# KiCad board dsv4.kicad_pcb (continued)
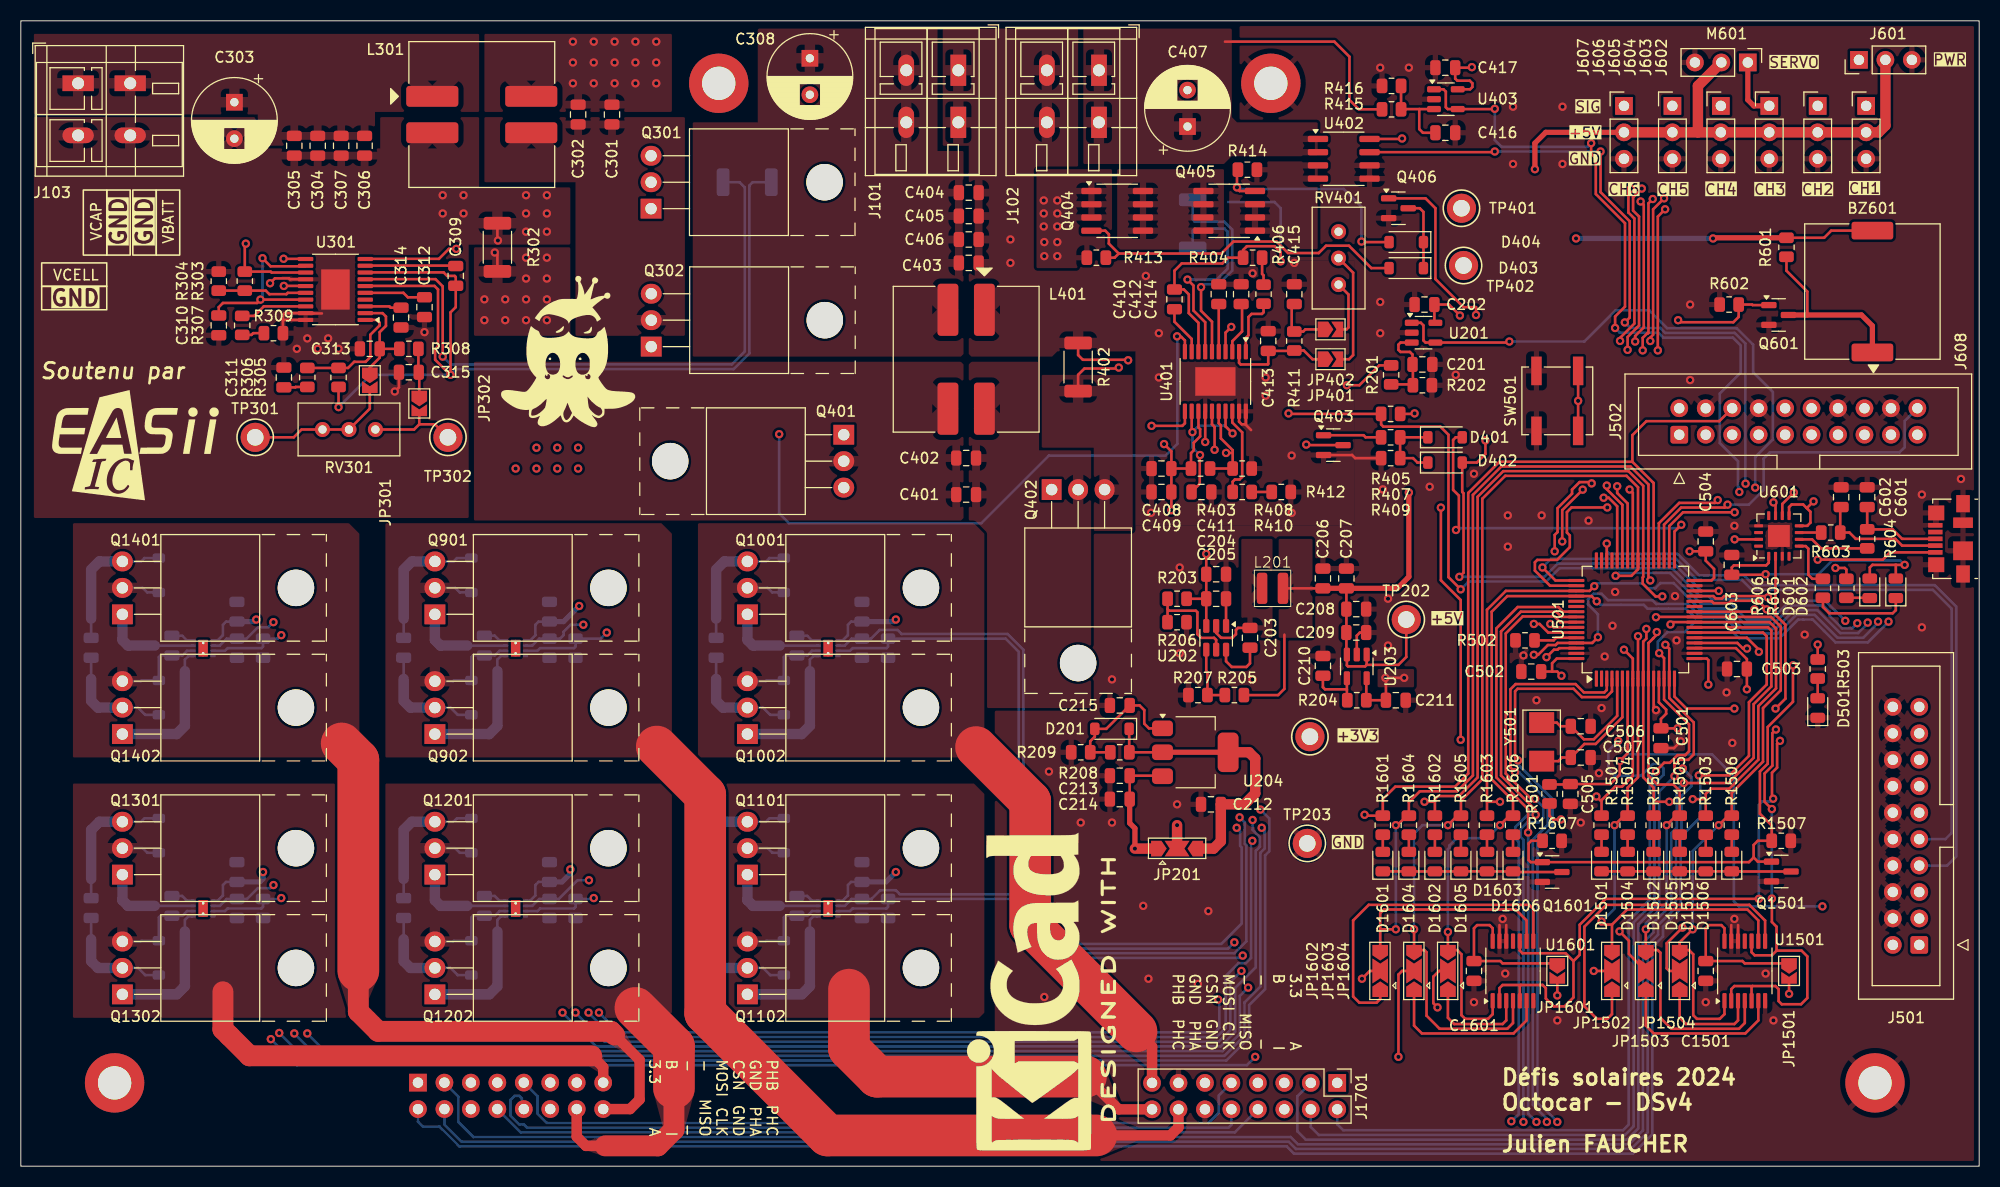
[diagram p0: board, top side]
## Routing (per net, layer and track width the routed paths; a pad name or vN(x,y) marks a point on that pad's centre or on a via; arc(x,y) is an arc through that point) (continued)
  Bottom w0.25: v1(167.5,56.85) 172.57,56.85 173.9,58.17 180.43,58.17 v1(180.85,57.75)
/SPI.CLK: length 164.8
  Top w0.25: U501.55 148.05,53.25 147.6,53.7 143.7,53.7 141.65,51.65 141.65,37.34 144.7,34.29 v1(144.7,32.05)
  In2.Cu w0.25: J1701.10 116.22,3.94 117.25,2.9 144.15,2.9 v1(145.5,4.25)
  Bottom w0.25: v1(145.5,4.25) 144.7,5.05 v1(144.7,32.05) ; J1701.10 116.22,3.97 115.95,3.7 48.6,3.7 48.28,4.01 47.85,4.01 47,4.87 47,6.35 47.4,6.75 47.85,6.75 48.1,6.5 48.1,5.67 J1801.10
/SPI.MISO: length 164.8
  Top w0.25: U501.56 147.91,52.75 147.41,53.25 144,53.25 142.1,51.35 142.1,37.52 145.43,34.2 v1(145.43,33.75)
  In2.Cu w0.25: J1701.8 120.41,3.8 128.51,3.8 arc(128.68,3.87) 128.75,4.04 128.75,4.56 arc(128.82,4.73) 128.99,4.8 129.11,4.8 arc(129.28,4.73) 129.35,4.56 129.35,4.04 arc(129.42,3.87) 129.59,3.8 129.71,3.8 arc(129.88,3.87) 129.95,4.04 129.95,4.56 arc(130.02,4.73) 130.19,4.8 130.31,4.8 arc(130.48,4.73) 130.55,4.56 130.55,4.04 arc(130.62,3.87) 130.79,3.8 130.91,3.8 arc(131.08,3.87) 131.15,4.04 131.15,4.56 arc(131.22,4.73) 131.39,4.8 131.51,4.8 arc(131.68,4.73) 131.75,4.56 131.75,4.04 arc(131.82,3.87) 131.99,3.8 132.11,3.8 arc(132.28,3.87) 132.35,4.04 132.35,4.56 arc(132.42,4.73) 132.59,4.8 132.71,4.8 arc(132.88,4.73) 132.95,4.56 132.95,4.04 arc(133.02,3.87) 133.19,3.8 142.57,3.8 v1(143.09,4.31)
  Bottom w0.25: v1(145.43,33.75) 144.65,33.75 143.47,32.58 143.47,31.47 143.8,31.15 143.8,5 143.11,4.31 v1(143.09,4.31) ; J1801.8 47.98,3.25 116.54,3.25 J1701.8
/SPI.MOSI: length 163
  Top w0.25: v1(145.37,35.28) 144.98,35.28 142.55,37.71 142.55,51.16 144.19,52.8 147.23,52.8 147.78,52.25 U501.57
  In2.Cu w0.25: J1701.9 117.39,6.82 117.39,3.96 118,3.35 143.15,3.35 144.05,4.25 v1(144.25,4.25)
  Bottom w0.25: J1701.9 115,6.78 115,5.12 114.03,4.15 50.5,4.15 49.6,5.05 49.6,6.71 J1801.9 ; v1(145.37,35.28) 146.15,34.5 146.15,33.45 145.7,33 144.62,33 143.97,32.35 143.97,31.62 144.25,31.35 v1(144.25,4.25)
IN: length 72.9
  Top w0.25: v1(120.95,86.9) 120.95,87.76 120.36,88.35 117.7,88.35 117.34,87.99 R404.1 115.9,87.25 115.35,86.7 111.45,86.7 110.75,86 C410.1 111.65,84.2 112.12,83.72 112.12,81.92 113.05,81 U401.8 ; v1(113.3,84.42) 113.3,82.15 114.35,81.1 U401.6 ; R415.1 128.45,101.5 127.55,102.4 127.55,106.55 126.1,108 115.6,108
  Bottom w0.25: R401.2 112.5,90.9 112.7,90.7 115.54,90.7 116.3,89.94 116.3,86.01 114.99,84.7 113.57,84.7 v1(113.3,84.42) ; 115.9,92.6 120.35,92.6 120.95,92 v1(120.95,86.9)
V_{DRIVE}: length 409.9
  Top w0.25: R601.1 173.11,89.16 173.8,89.85 BZ601.1
  Top w0.5: v1(162.45,89.1) 162.51,89.16 R601.1
  Top w1: JP201.2 v1(111,32.75)
  In2.Cu w0.5: v1(149.3,89.1) 148.1,89.1 146.05,87.05 146.05,85.26 144.04,83.25 137.64,83.25 134.8,80.41 134.8,77.86 132.65,75.71 132.65,70.39 134.1,68.94 134.1,64.35 131.4,61.65 120,61.65 119.5,61.15 119.5,41.25 v1(111,32.75)
  In2.Cu w1: v1(22.6,52.5) 20.65,50.55 20.65,27 ; 20.65,27 20.65,28.25 v1(23.25,28.25) ; 20.65,27 20.65,13.45 24.2,9.9 79.25,9.9 ; v1(111,32.75) 111,13.3 107.6,9.9 79.25,9.9 ; v1(84,28.25) 79.25,28.25 ; 79.25,28.25 79.25,50.15 81.6,52.5 v1(84,52.5) ; 79.25,28.25 79.25,9.9 ; v1(53.6,53.8) 50.75,50.95 50.75,28.5 ; 50.75,28.5 v1(52.75,28.5) ; 50.75,28.5 50.75,9.95
  Bottom w0.25: U1001.1 78.9,50.5 79.4,51 79.4,52 79.7,52.3 C1003.1 ; U1401.1 18.9,50.5 19.4,51 19.4,52 19.7,52.3 C1403.1 ; U901.1 48.9,50.5 49.4,51 49.4,52 49.7,52.3 C903.1 ; U1201.1 48.9,25.5 49.4,26 49.4,27 49.7,27.3 C1203.1 ; C1103.1 79.7,27.3 79.4,27 79.4,26 78.9,25.5 U1101.1 ; U1301.1 18.9,25.5 19.4,26 19.4,27 19.7,27.3 C1303.1
  Bottom w0.5: C1103.1 83.05,27.3 v1(84,28.25) ; C1203.1 51.95,27.3 52.75,28.1 v1(52.75,28.5) ; C1403.1 22.4,52.3 v1(22.6,52.5) ; C1303.1 22.95,27.3 23.25,27.6 v1(23.25,28.25) ; v1(149.3,89.1) v1(162.45,89.1) ; v1(53.6,53.8) 52.1,52.3 C903.1 ; v1(84,52.5) 83.8,52.3 C1003.1
VCAP: length 218.2
  Top w0.25: C205.1 U202.3 ; C205.1 C204.1 v1(113.8,58.8) ; C205.1 R203.2 ; 33.08,85.84 40.59,85.84 40.93,85.5 41.65,85.5 41.75,85.4 C309.1 41.75,82.5 41.25,82 v1(41.25,76) 41.22,76 39.78,77.45 39.78,78.47 40.05,78.75 40.05,84.2 39.71,84.54 33.08,84.54 ; v1(30.5,72.9) R305.1 ; C408.1 110.45,68.65 v1(109.75,69.35) ; C408.1 R403.1 112.34,68.49 112.6,68.75 112.6,69.48 113.21,70.09 113.21,70.79 113.05,70.95 U401.13 ; C408.1 C409.1 v1(110.45,63) ; R201.1 130.41,76.91 128.5,75 v1(127.3,75) ; U204.3 109.55,37.5 C213.1 C214.1
  Top w0.5: v1(106.95,30.5) 106.95,32.45 106.45,32.95 C214.1
  Top w1: v1(106.95,30.5) JP201.1
  Bottom w0.25: R301.2 70.25,94.5 69.95,94.2 69.95,78.06 68.44,76.55 41.8,76.55 v1(41.25,76) 33.6,76 v1(30.5,72.9) ; C1302.1 6.75,27.59 ; C1202.1 36.75,27.59 ; Q1301.3 11.54,33.08 11.86,33.4 D1301.1 ; Q1201.3 41.54,33.08 41.86,33.4 D1201.1 ; C1402.1 6.75,52.59 ; Q1101.3 71.54,33.08 71.86,33.4 D1101.1 ; D1001.1 71.86,58.4 71.54,58.08 Q1001.3 ; Q901.3 41.54,58.08 41.86,58.4 D901.1 ; D1401.1 11.86,58.4 11.54,58.08 Q1401.3 ; C1002.1 66.75,52.59 ; C1102.1 66.75,27.59 ; C902.1 36.75,52.59
  Bottom w1: 66.75,27.59 66.75,32.29 67.54,33.08 Q1101.3 ; 6.75,27.59 6.75,32.29 7.54,33.08 Q1301.3 ; Q1001.3 67.54,58.08 66.75,57.29 66.75,52.59 ; 36.75,52.59 36.75,57.29 37.54,58.08 Q901.3 ; Q1201.3 37.54,33.08 36.75,32.29 36.75,27.59 ; 6.75,52.59 6.75,57.29 7.54,58.08 Q1401.3
  vias: v1(98.2,92.75) v1(98.2,91.5) v1(98.2,90.25) v1(98.25,88.75) v1(98.25,87.4) v1(99.5,92.75) v1(99.5,91.5) v1(99.5,90.25) v1(99.5,88.75) v1(99.5,87.4)
Net-(BZ601--): length 17.5
  Top w0.25: 171.5,81.75 171.5,84 169.5,86 R601.2
  Top w0.5: Q601.3 176.7,81.75 177.75,80.7 BZ601.2
Net-(D201-A): length 13.5
  Top w0.25: U204.1 108.3,42.05 107.85,42.5 107.85,43.8 107.4,44.25 C215.1 104.2,42 D201.2 103.1,41.25 102.66,40.81 R209.1 R208.2
Net-(D201-K): length 27.7
  Top w0.25: U204.2 R208.1 106.4,39.76 D201.1
  Top w0.5: U204.2 U204.2
  Top w1: U204.2 117.9,39.75 118.5,39.15 118.5,35.8 117.45,34.75 C212.1 115.2,31.2 114.5,30.5 JP201.3
Net-(D401-K): length 7.5
  Top w0.25: D402.1 134.07,67.58 133.65,68 R409.1 R407.1 D401.1
Net-(D403-A): length 33.5
  Top w0.25: 105.4,87.65 104.45,88.6 104.45,89.5 104.1,89.84 Q404.4 ; 105.4,87.65 105,87.25 R413.2 ; 105.4,87.65 115.25,87.65 116.4,88.8 120.55,88.8 121.65,87.7 124.6,87.7 125.3,88.4 127.5,88.4 129.65,86.25 D403.2
Net-(D403-K): length 7
  Top w0.25: Q406.3 134.3,92 134.65,91.65 D404.1 D403.1
Net-(D404-A): length 22.4
  Top w0.25: D404.2 128.75,88.75 v1(128.7,88.8) ; Q405.4 117,93.66 116.75,93.91 v1(116.75,94) 116.75,95.61 R414.2
  Bottom w0.25: v1(116.75,94) 116.9,93.85 127,93.85 128.7,92.15 v1(128.7,88.8)
Net-(D501-A): length 1.9
  Top w0.25: R503.2 D501.2
Net-(D601-K): length 2.3
  Top w0.25: D601.1 177.47,54.59 R605.1
Net-(D602-K): length 9.4
  Top w0.25: R606.1 173,53.7 173.6,53.1 179.7,53.1 180,53.4 D602.1
Net-(D1501-A): length 1.6
  Top w0.25: R1501.2 D1501.2
Net-(D1501-K): length 18.1
  Top w0.25: 169.88,28.3 165.1,28.3 165.09,28.31 D1506.1 164.25,28.31 D1503.1 161.75,28.31 D1505.1 159.25,28.31 D1502.1 D1504.1 154.25,28.31 D1501.1
Net-(D1502-A): length 1.7
  Top w0.25: R1502.2 D1502.2
Net-(D1503-A): length 1.7
  Top w0.25: R1503.2 D1503.2
Net-(D1504-A): length 1.7
  Top w0.25: R1504.2 D1504.2
Net-(D1505-A): length 1.6
  Top w0.25: R1505.2 D1505.2
Net-(D1506-A): length 1.6
  Top w0.25: R1506.2 D1506.2
Net-(D1601-A): length 1.6
  Top w0.25: R1601.2 D1601.2
Net-(D1601-K): length 17.2
  Top w0.25: Q1601.3 143.7,28.25 143.64,28.31 D1606.1 143.25,28.31 D1603.1 140.75,28.31 D1605.1 138.25,28.31 D1602.1 D1604.1 133.25,28.31 D1601.1
Net-(D1602-A): length 1.6
  Top w0.25: R1602.2 D1602.2
Net-(D1603-A): length 1.6
  Top w0.25: R1603.2 D1603.2
Net-(D1604-A): length 1.6
  Top w0.25: R1604.2 D1604.2
Net-(D1605-A): length 1.6
  Top w0.25: R1605.2 D1605.2
Net-(D1606-A): length 1.6
  Top w0.25: R1606.2 D1606.2
Net-(J608-D+): length 9.1
  Top w0.25: J608.3 180.6,60.25 179.69,61.16 R604.2 C601.1
Net-(J608-D-): length 12.1
  Top w0.25: C602.1 174.66,63.21 R603.2 175.55,60.85 176.15,60.25 179.95,60.25 180.6,59.6 J608.2
Net-(J608-VBUS): length 21.7
  Top w0.25: J608.1 179.45,58.95 178.75,58.25 v1(172.5,58.25) ; v1(170.2,64.7) 169.1,63.6 U601.10
  In2.Cu w0.25: v1(172.5,58.25) 171.5,59.25 171.5,62.25 170.2,63.55 v1(170.2,64.7)
Net-(JP301-A): length 10.1
  Top w0.25: U301.2 34.72,81.92 35.05,81.6 35.05,80.7 34.45,80.1 C313.1 ; C313.1 R308.1 ; C313.1 34.45,77.65 33.5,76.7 JP301.1
Net-(JP301-B): length 14.1
  Top w0.25: TP301.1 26.2,70 26.95,70.75 RV301.1 RV301.2 33.5,72.75 JP301.2
Net-(JP302-A): length 4.4
  Top w0.25: R308.2 38.16,76.29 ; JP302.1 38.25,76.2
Net-(JP302-B): length 9
  Top w0.25: TP302.1 39.75,71.25 38.25,71.25 ; 38.25,71.25 JP302.2 ; 38.25,71.25 37.75,70.75 RV301.3
Net-(JP401-A): length 10.8
  Top w0.25: 122.21,78.3 C413.1 119.75,77.05 119.7,77 117.1,77 116.95,77.15 U401.2 ; R411.1 123.16,78.34 124,77.5 JP401.1
Net-(JP401-B): length 27
  Top w0.25: RV401.2 127.9,85.81 127.9,77.9 127.5,77.5 JP401.2
  In2.Cu w0.25: RV401.2 RV401.1 134.25,89.75 134.5,89.5 135.8,89.5 TP401.1
Net-(JP402-A): length 5.5
  Top w0.25: 122,80.16 122,82.8 ; R411.2 123.11,80.16 123.31,80.36 JP402.1
Net-(JP402-B): length 18.3
  Top w0.25: JP402.2 127.26,80.36 127.45,80.55 127.45,83.72 RV401.3
  In2.Cu w0.25: RV401.3 132.32,84.67 134.15,86.5 TP402.1
Net-(JP1501-A): length 14.5
  Top w0.25: U1501.14 163.55,22.85 163.25,23.15 162.05,23.15 161.75,22.85 C1501.1 165.28,19.7 165.5,19.47 JP1501.1
Net-(JP1502-A): length 34
  Top w0.25: JP1502.1 152.75,14.6 152.3,14.15 151.3,14.15 150.1,15.35 150.1,23 152.2,25.1 165.94,25.1 167.45,23.59 U1501.8
Net-(JP1503-A): length 16.8
  Top w0.25: JP1503.1 156,13.5 156.75,12.75 165.55,12.75 166.8,14 U1501.6
Net-(JP1504-A): length 10.4
  Top w0.25: U1501.3 164.85,14 164.5,13.65 159.85,13.65 159.25,14.25 JP1504.1
Net-(JP1601-A): length 14.5
  Top w0.25: JP1601.1 142.25,19.47 142.03,19.7 C1601.1 139.5,22.85 139.8,23.15 141,23.15 141.3,22.85 U1601.14
Net-(JP1602-A): length 32.2
  Top w0.25: JP1602.1 130.5,16.05 130.15,15.7 128.5,15.7 127.9,16.3 127.9,23.6 129.4,25.1 144.8,25.1 145.2,24.7 U1601.8
Net-(JP1603-A): length 16.8
  Top w0.25: JP1603.1 133.75,13.5 134.5,12.75 143.3,12.75 144.55,14 U1601.6
Net-(JP1604-A): length 10.4
  Top w0.25: JP1604.1 137,14.25 137.6,13.65 142.25,13.65 142.6,14 U1601.3
Net-(Q301-G): length 34.2
  Top w0.25: v1(41.8,88.1) 41.1,88.1 40.14,87.14 33.08,87.14
  In2.Cu w0.25: Q301.1 60.5,89.35 55.6,84.45 45.09,84.45 41.8,87.74 v1(41.8,88.1)
Net-(Q302-G): length 42.8
  Top w0.25: v1(25.22,87.15) 25.23,87.14 27.32,87.14
  In2.Cu w0.25: Q302.1 53.69,78.71 53.05,79.35 53.05,82.6 51.65,84 44.9,84 41.75,87.15 v1(25.22,87.15)
Net-(Q401-G): length 67.9
  Top w0.25: U401.10 111.75,79.3 111.4,79.65 111.05,79.65 v1(111,79.7)
  In2.Cu w0.25: Q401.1 72.85,70.25 v1(72.8,70.3)
  Bottom w0.25: v1(111,79.7) 111.03,79.67 111.03,69.38 109.9,68.25 98.7,68.25 92.2,61.75 73.75,61.75 72.8,62.7 v1(72.8,70.3)
Net-(Q402-G): length 17.3
  Top w0.25: U401.11 111.75,71.35 111.5,71.1 v1(108.55,71.1)
  In2.Cu w0.25: v1(108.55,71.1) 105.15,67.7 100.4,67.7 98.96,66.26 Q402.1
Net-(Q403-D): length 20.5
  Top w0.25: Q403.3 123.45,69.25 v1(123.4,69.3) ; 116.34,68.5 R408.1 R403.2 ; 116.34,68.5 v1(115.7,68.5) ; 116.34,68.5 116.34,68.76 115.2,69.9 115.2,71.15 115,71.35 U401.16
  In2.Cu w0.25: v1(123.4,69.3) 116.5,69.3 v1(115.7,68.5)
Net-(Q403-G): length 5.6
  Top w0.25: Q403.1 128.9,70.2 129.1,70 R407.2
Net-(Q901-G): length 9.5
  Bottom w0.25: U901.7 42.85,50
  Bottom w1: 42.85,50 40.29,50 39.75,50.54 Q901.1
Net-(Q902-G): length 13.6
  Bottom w0.25: U901.5 46.1,49 45.75,48.65 45.75,47.54
  Bottom w1: 45.75,47.54 45.75,42.29 44.96,41.5 Q902.1
Net-(Q1001-G): length 9.5
  Bottom w0.25: U1001.7 72.85,50
  Bottom w1: 72.85,50 70.29,50 69.75,50.54 Q1001.1
Net-(Q1002-G): length 13.6
  Bottom w0.25: 75.75,47.54 75.75,48.65 76.1,49 U1001.5
  Bottom w1: 75.75,47.54 75.75,42.29 74.96,41.5 Q1002.1
Net-(Q1101-G): length 9.5
  Bottom w0.25: U1101.7 72.85,25
  Bottom w1: 72.85,25 70.29,25 69.75,25.54 Q1101.1
Net-(Q1102-G): length 13.6
  Bottom w0.25: 75.75,22.54 75.75,23.65 76.1,24 U1101.5
  Bottom w1: 75.75,22.54 75.75,17.29 74.96,16.5 Q1102.1
Net-(Q1201-G): length 9.5
  Bottom w0.25: U1201.7 42.85,25
  Bottom w1: 42.85,25 40.29,25 39.75,25.54 Q1201.1
Net-(Q1202-G): length 13.6
  Bottom w0.25: U1201.5 46.1,24 45.75,23.65 45.75,22.54
  Bottom w1: 45.75,22.54 45.75,17.29 44.96,16.5 Q1202.1
Net-(Q1301-G): length 9.5
  Bottom w0.25: U1301.7 12.85,25
  Bottom w1: 12.85,25 10.29,25 9.75,25.54 Q1301.1
Net-(Q1302-G): length 13.6
  Bottom w0.25: 15.75,22.54 15.75,23.65 16.1,24 U1301.5
  Bottom w1: 15.75,22.54 15.75,17.29 14.96,16.5 Q1302.1
Net-(Q1401-G): length 9.5
  Bottom w0.25: U1401.7 12.85,50
  Bottom w1: 12.85,50 10.29,50 9.75,50.54 Q1401.1
Net-(Q1402-G): length 13.6
  Bottom w0.25: U1401.5 16.1,49 15.75,48.65 15.75,47.54
  Bottom w1: 15.75,47.54 15.75,42.29 14.96,41.5 Q1402.1
Net-(R307-Pad2): length 2.2
  Top w0.25: R307.2 22.14,79.84 22.3,80 R309.1
Net-(R404-Pad2): length 2.6
  Top w0.25: R404.2 119.16,85.69 119.3,85.55 R406.1
Net-(R410-Pad2): length 1.9
  Top w0.25: R410.2 R412.1
Net-(U201-+): length 8.5
  Top w0.25: U201.3 132.45,79.1 132.25,78.9 132.25,78.4 132.45,78.2 133.35,78.2 133.6,77.95 C201.1 133.64,76.96 R202.1 133.55,75.09 R201.2
Net-(U202-BOOT): length 5.3
  Top w0.25: C203.1 118,48.3 117.65,47.94 116.25,47.94 115.7,48.5 U202.6
Net-(U202-EN): length 10.3
  Top w0.25: 110.09,53.5 110.24,53.34 112.8,53.34 112.95,53.19 112.95,51.09 113.3,50.75 114.55,50.75 114.75,50.55 U202.5 ; 110.09,53.5 R203.1 ; 110.09,53.5 110.09,52.25 R206.2
Net-(U202-FB): length 6.1
  Top w0.25: R205.1 R207.2 113.91,47.43 113.8,47.55 U202.4
Net-(U203-BP): length 5.6
  Top w0.25: 127.3,45.75 127.25,45.8 125.2,45.8 125,46 C210.1 ; 127.3,45.75 U203.4 ; 127.3,45.75 127.3,44.79 R204.2
Net-(U301-EN/FBIN): length 8.5
  Top w0.25: U301.16 25.62,83.88 25.5,83.75 23.85,83.75 23.51,84.09 R303.2 R304.1
Net-(U301-FBX): length 11.7
  Top w0.25: R306.1 R305.2 31.41,76.66 32,77.25 33.1,77.25 33.6,77.75 33.55,77.8 33.55,79.85 34.45,80.75 34.45,81 34.17,81.28 U301.1
Net-(U301-IMON): length 5.9
  Top w0.25: C312.1 37.15,83.45 36.72,83.88 U301.5
Net-(U301-INTV_{CC}): length 17.9
  Top w0.25: 27.34,83.22 v1(23,83.22) 22.67,82.9 19.4,82.9 19,82.5 C310.1 ; v1(23.2,87.2) 23.97,86.42 27.29,86.42
  Bottom w0.25: v1(23.2,87.2) 23.2,83.42 v1(23,83.22)
Net-(U301-INTV_{EE}): length 8.6
  Top w0.25: 41.71,86.49 33.08,86.49
Net-(U301-RT): length 6.5
  Top w0.25: R307.1 22.41,81.66 23.33,82.58 U301.18
Net-(U301-SS): length 3.5
  Top w0.25: C314.1 35.5,82.45 35.38,82.58 U301.3
Net-(U401-FBX): length 5.9
  Top w0.25: R406.2 119.3,82 119.15,81.85 118.15,81.85 117.85,81.55 117.85,79.8 117.6,79.55 U401.1
Net-(U401-IMON): length 4.6
  Top w0.25: C412.1 U401.5
Net-(U401-INTV_{CC}): length 15.2
  Top w0.25: U401.12 112.4,70.58 v1(112.47,70.5) ; C411.1 113.18,65.54 113.18,68.28 v1(113.2,68.3) ; v1(116.32,70.38) 115.65,71.05 U401.17
  Bottom w0.25: v1(113.2,68.3) 112.47,69.03 v1(112.47,70.5) 113.1,71.12 115.57,71.12 v1(116.32,70.38)
Net-(U401-INTV_{EE}): length 4.8
  Top w0.25: C410.2 110.75,81.1 112.4,79.45 U401.9
Net-(U401-RT): length 8.8
  Top w0.25: U401.18 116.3,71.43 117.25,70.48 117.25,66.2 117,65.95 116.55,65.95 116.34,65.74 R410.1
Net-(U401-SS): length 4.9
  Top w0.25: U401.3 116.3,79.23 117.24,80.17 117.24,82.71
Net-(U403-+): length 9
  Top w0.25: C416.1 134.6,99.25 134.25,99.6 134.25,101.53 ; 134.25,101.53 U403.3 ; 134.25,101.53 132.97,101.53 132.95,101.5 R415.2 R416.1
Net-(U501-BOOT0): length 4.1
  Top w0.25: R502.2 147.15,50.5 147.4,50.75 U501.60
Net-(U601-CBUS1): length 19.4
  Top w0.25: v1(174.2,57.45) 175.1,57.45 175.25,57.3 R605.2 ; v1(168.25,63.75) 168.45,63.55 U601.11
  In2.Cu w0.25: v1(168.25,63.75) 166.78,62.28 166.78,56.53 167.25,56.05 172.3,56.05 173.7,57.45 v1(174.2,57.45)
Net-(U601-CBUS2): length 5
  Top w0.25: U601.5 171.35,59.55 171.6,59.3 171.6,56.8 171.99,56.41 R606.2
Net-(U601-USBDM): length 2.1
  Top w0.25: U601.7 R603.1
Net-(U601-USBDP): length 6.9
  Top w0.25: U601.6 171.95,60.2 172.82,59.34 R604.1
Net-(U901-BST): length 2.2
  Bottom w0.25: C901.1 45.49,50.95 45.94,50.5 U901.8
Net-(U1001-BST): length 2.2
  Bottom w0.25: C1001.1 75.49,50.95 75.94,50.5 U1001.8
Net-(U1101-BST): length 2.2
  Bottom w0.25: U1101.8 75.94,25.5 75.49,25.95 C1101.1
Net-(U1201-BST): length 2.2
  Bottom w0.25: C1201.1 45.49,25.95 45.94,25.5 U1201.8
Net-(U1301-BST): length 2.2
  Bottom w0.25: C1301.1 15.49,25.95 15.94,25.5 U1301.8
Net-(U1401-BST): length 2.2
  Bottom w0.25: U1401.8 15.94,50.5 15.49,50.95 C1401.1

## Copper pours and planes (outline as drawn; the poured copper is in the pictures)
+3.3V on Top: 130.25,47.75 133.75,47.75 133.75,46 130.25,46
+3.3V on In2.Cu: 129,113 129,61 120,61 120,-3 191,-3 194,0 194,113
+5V on Top: 120.75,60.25 120.75,50.75 124,50.75 124,60.25
/PSU/5VSW on Top: 120.16,50.75 117.16,50.75 117.16,60.25 120.16,60.25
GNDD on Top: 34.5,100.75 34.5,97.75 22.5,97.75 22.5,100.75 1.25,100.75 1.25,62.25 43,62.25 43,88.5 52.75,88.5 52.75,94 44,94 44,100.75
GNDD on Top: 101.5,87 128,87 128,61.5 107,61.5 107,78.25 99.5,78.25 99,77.75 91.25,77.75 91,78 91,98 88.5,98 88.5,109.25 101.5,109.25
GNDD on Top, Bottom: 93.5,62.25 117,85.75 117,109.5 189.25,109.5 189,-1 93.5,-1
GNDD on Bottom: -0.5,64.75 43.75,64.75 54,75 73,75 73,64.75 91.75,64.75 91.75,15.5 87.5,11.25 4.75,11.25 -0.5,16.5
GNDD on Bottom: -0.75,111.25 -0.75,65.5 43.25,65.5 53.5,75.75 67.25,75.75 67.25,111 67,111.25
GNDD on In1.Cu: -4,114 -4,-4 192,-4 192,114
/MOT A Connection/MOT.A on Top: 35,61.75 35,39.25 62,39.25 62.5,39.75 62.5,60.75 61.5,61.75
/MOT A Connection/MOT.B on Top: 65,61.75 65,39.25 92,39.25 92.5,39.75 92.5,60.75 91.5,61.75
/MOT A Connection/MOT.C on Top: 65,36.75 65,14.25 92,14.25 92.5,14.75 92.5,35.75 91.5,36.75
/MOT B Connection/MOT.A on Top: 35,36.75 35,14.25 62,14.25 62.5,14.75 62.5,35.75 61.5,36.75
/MOT B Connection/MOT.B on Top: 5,36.75 5,14.25 32,14.25 32.5,14.75 32.5,35.75 31.5,36.75
/MOT B Connection/MOT.C on Top: 5,61.75 5,39.25 32,39.25 32.5,39.75 32.5,60.75 31.5,61.75
/PSU/Battery chagrer/BAT_RET_MID on Top: 115.5,95.75 105.25,95.75 105.25,87.75 115.5,87.75
/PSU/Battery chagrer/BATT_RET_PATH on Top: 124.5,96.5 116.75,96.5 116,95.75 116,87.75 124,87.75 124.5,88
/PSU/Battery chagrer/SW_IN on Top: 91.25,77.25 91,77 91,44 102.75,44 102.75,68.75 97.75,68.75 97.75,77.25
/PSU/Battery chagrer/SW_OUT on Top: 43.5,77.25 43.5,62 90.25,62 90.5,62.25 90.5,77 90.25,77.25
/PSU/Battery chagrer/SWIN_CSP on Top: 98,76 98,69 103,69 103,61 106.75,61 106.75,76
/PSU/Battery chagrer/SWOUT_ISP on Bottom: 74,62.5 91.5,62.5 115.25,86.25 115.25,88.75 114.5,89.5 107.5,89.5 103.5,85.5 96.25,85.5 88,77.25 75.25,77.25 73.75,75.75 73.75,62.75
/PSU/Input PSU/SW_IN on Top: 44.5,100.75 44.5,94.5 53.25,94.5 53.25,79.75 63.75,79.75 63.75,100.75
/PSU/Input PSU/SW_OUT on Top: 44.5,101.25 62.5,101.25 62.5,108.75 44.5,108.75
/PSU/Input PSU/SW_OUT on Bottom: 58.5,101.25 58.5,95.75 60.5,95.75 60.5,93.25 53,93.25 53,94.75 50,94.75 50,101.25 44.5,101.25 44.5,108.75 62.5,108.75 62.5,101.25
/PSU/Input PSU/SWIN_CSP on Top: 43.5,88.25 43.5,79.75 52.75,79.75 52.75,88.25
/PSU/Input PSU/SWIN_CSP on Bottom: 52.75,88.25 52.75,85 68.5,85 68.5,82.5 52.75,82.5 52.75,79.75 43.5,79.75 43.5,88.25
/PSU/Input PSU/SWOUT_ISP on Bottom: 60.5,98.25 68.5,98.25 68.5,92 65.5,92 61.5,96 60.5,96
/PSU/V_{CELL} on Top: 1.25,101 22.75,101 22.75,98 34,98 34,101.25 44,101.25 44,108.75 1.25,108.75
IN on Top: 102,109.25 102,96.25 115.5,96.25 116.25,97 124.5,97 124.5,100.25 116.75,100.25 116.25,100.75 116.25,109.25
IN on Bottom: 115.75,91.25 116.25,91.75 116.25,109 116,109.25 101,109.25 101,91.25
VCAP on Top: 104.75,95.75 97.5,95.75 97.5,86.25 104.75,86.25
VCAP on Top: 70.75,109.25 88,109.25 88,97.5 90.5,97.5 90.5,78 90.25,77.75 64.5,77.75 64.5,100.25 70.75,100.25
VCAP on Bottom: 70.75,83.75 106.5,83.75 106.5,96.75 96,96.75 96,109.25 70.75,109.25
VCAP on In2.Cu: -3,113 -3,-3 119,-3 119,62.25 128.25,62.25 128.25,113

Small or netless copper shapes (teardrops, artwork), in the pictures only: 10 on Top, 24 on Bottom

## Text on the board
B.Silkscreen: Carte principale DSv4 pour défis solaires 2024 / Octocar - Julien FAUCHER / Entrée 14 Cellules solaires. / Sortie condensateurs, 18V / Sortie Li-Ion 3S1P 11.4V
F.Silkscreen: SERVO | PWR | VCELL | GND | +3V3 | +5V | CH6 | CH5 | CH4 | CH3 | CH2 | CH1 | SIG | VBATT | VCAP | PHB / GND / CSN / MOSI / - / - / B / 3.3 | 3.3 / B / - / - / MOSI / CSN / GND / PHB | PHC / PHA / GND / CLK / MISO / - / I / A | A / I / - / MISO / CLK / GND / PHA / PHC | Soutenu par | Défis solaires 2024 / Octocar - DSv4 | Julien FAUCHER
